# Altium PCB AT short bus ( 7 x 4.2 inches).PCBDOC (part 4 of 4)
Units mil, origin at the board's own origin, x right, y up, seen from the top; angles counter-clockwise.
Board outline 7000 x 4200 mil, 2 copper layers (TopLayer, BottomLayer), stack 65.792 mil thick; 180 components, 429 nets, 1316 pads, 545 vias.
Unrouted connection lines stored in the file: 1.
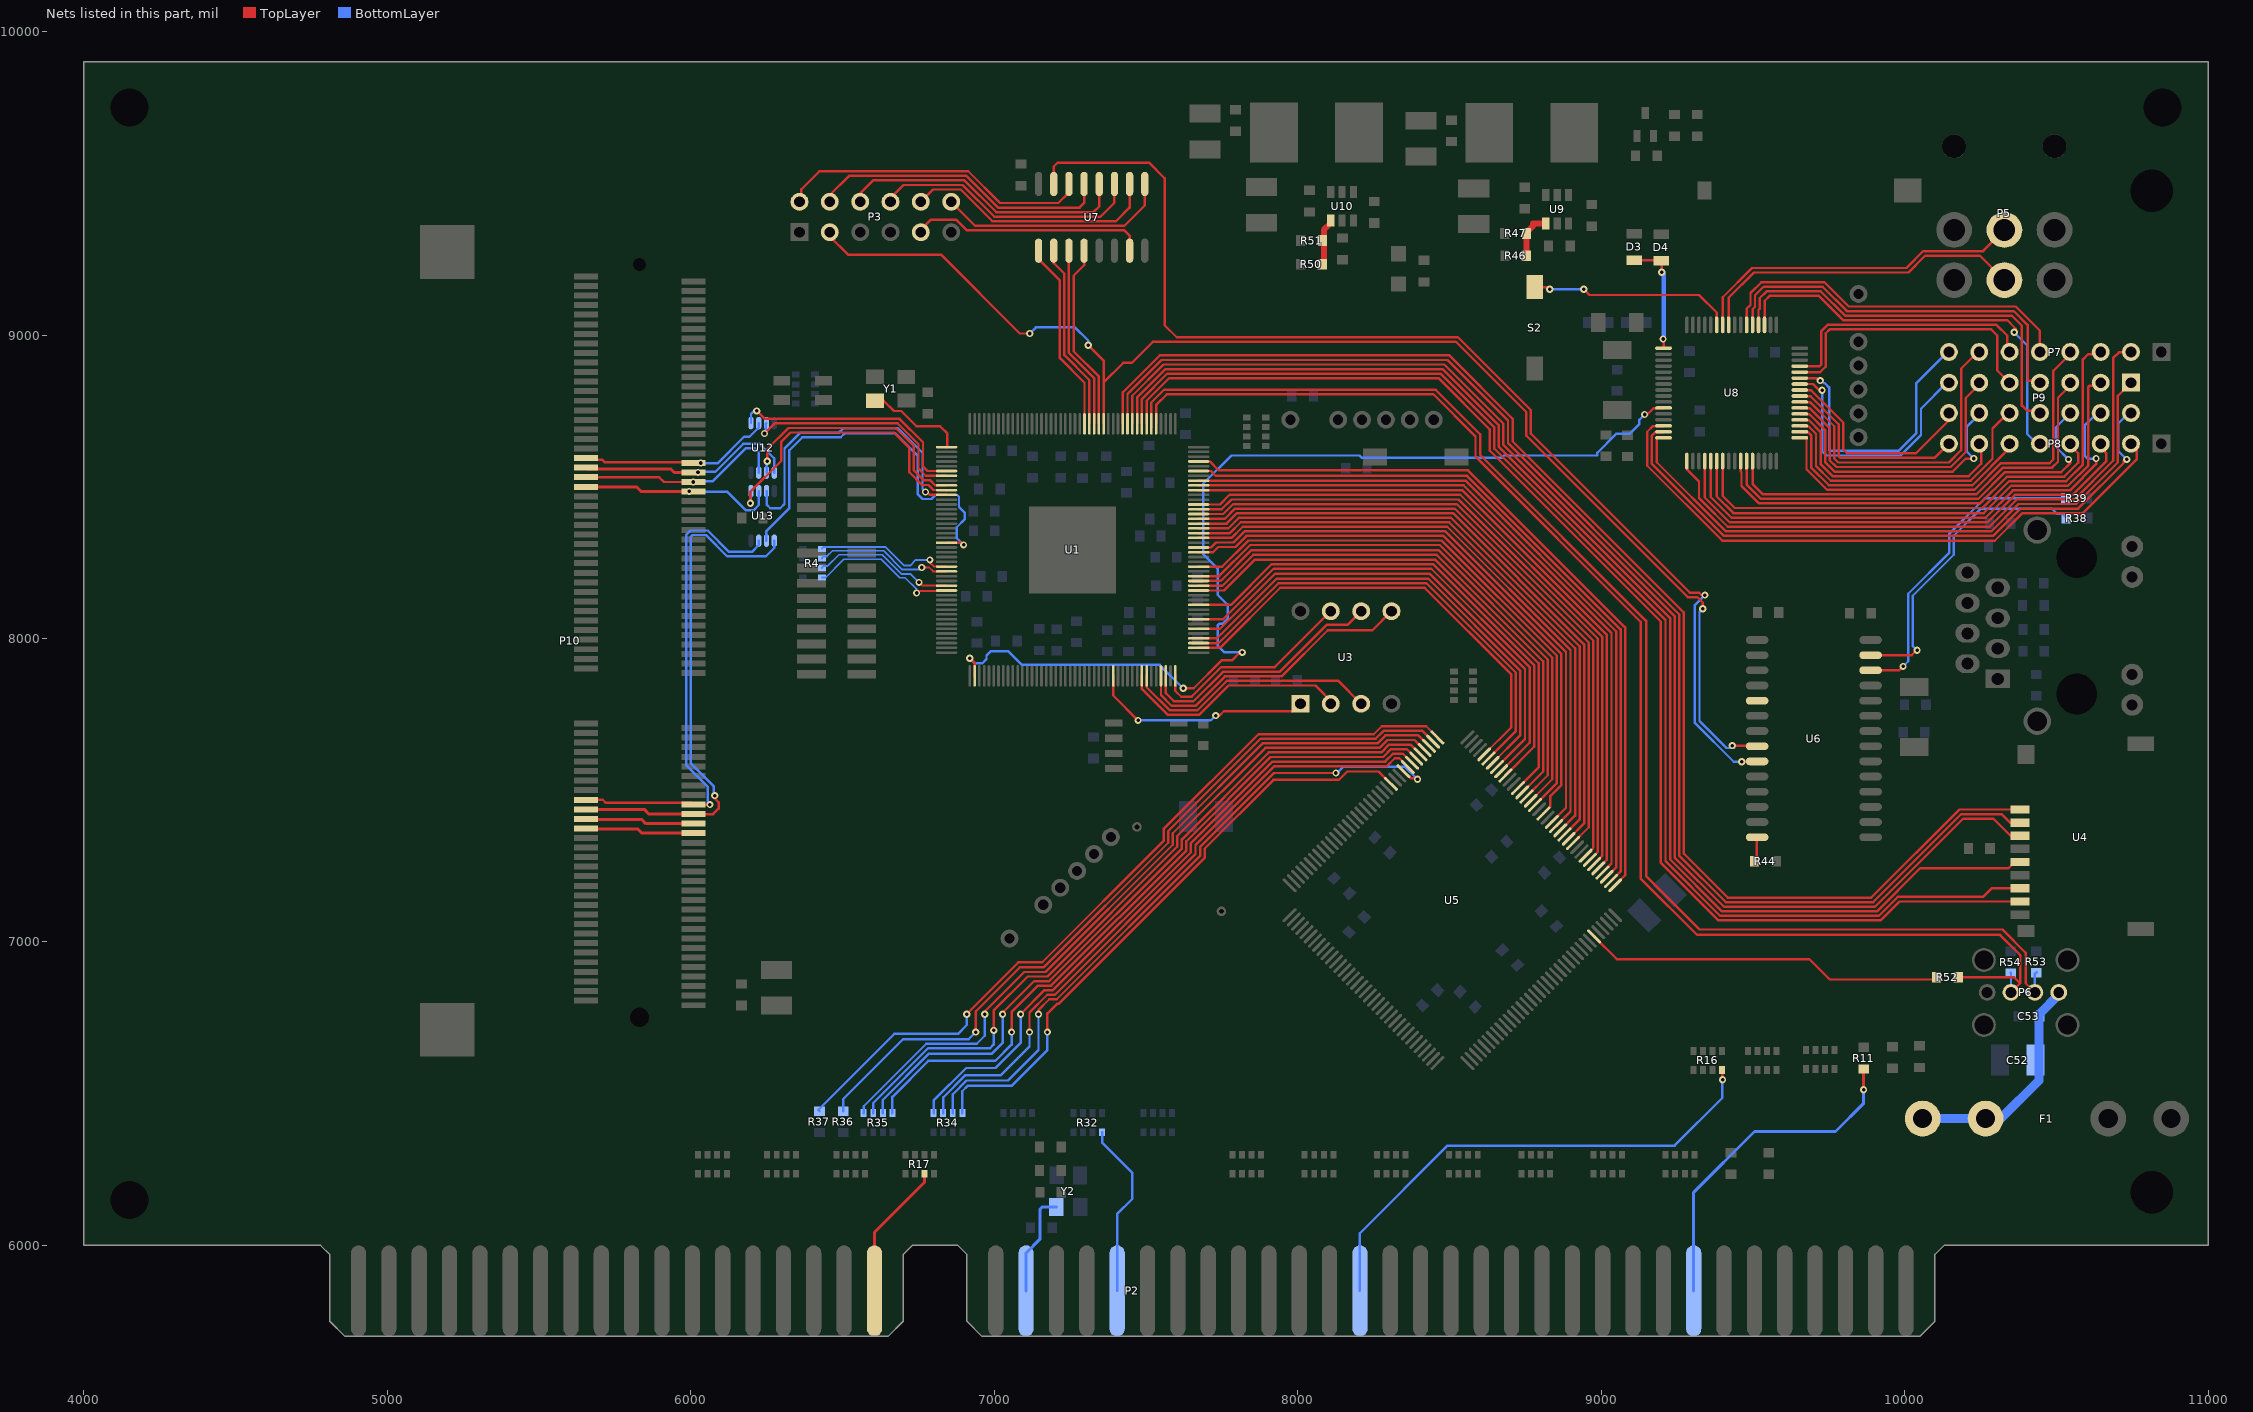
[diagram p4: the nets of this part, all layers, seen from the top]

## Via types
v1: diameter 23.62, hole 12.99, TopLayer to BottomLayer, tented both sides, 193 vias
v2: diameter 24.02, hole 11.81, TopLayer to BottomLayer, tented both sides, 137 vias
v3: diameter 23.62, hole 11.81, TopLayer to BottomLayer, tented both sides, 109 vias
v4: diameter 23.62, hole 11.81, TopLayer to BottomLayer, 39 vias
v5: diameter 25.98, hole 12.99, TopLayer to BottomLayer, tented both sides, 32 vias
v6: diameter 23.62, hole 12.99, TopLayer to BottomLayer, 25 vias
v7: diameter 39.37, hole 19.68, TopLayer to BottomLayer, tented both sides, 5 vias
v8: diameter 70, hole 70, TopLayer to BottomLayer, 2 vias
v9: diameter 39.37, hole 39.37, TopLayer to BottomLayer, tented both sides, 2 vias
v10: diameter 98.43, hole 59.06, TopLayer to BottomLayer, tented both sides, 1 vias

## Nets (pads, with @x,y where several pads share a name; then routed paths per layer and width w, separated by ;. In a path a pad name is that pad's centre, name@x,y a point inside that pad or via, vN(x,y) a via of type N, cw(c..) or ccw(c..) an arc to the next point about the centre after c; other vN are vias at no path point) (continued)
NetR34_1: R34.1 U5.48 | length 2026.2
  TopLayer w8: v3(7175.2,6702.76) 7175.2,6764.54 7206.65,6796 7212.13,6796 7693.1,7276.97 7693.1,7306.87 7920.02,7533.79 8135.15,7533.79 8163.06,7561.7 8266.2,7561.7 U5.48@8307.11,7520.85 U5.48@8307.11,7520.85
  BottomLayer w8: R34.1@6894.63,6436 6894.63,6508.06 6912.16,6525.59 7057.09,6525.59 7175.2,6643.7 v3(7175.2,6702.76)
NetR34_2: R34.2 U5.45 | length 2209.2
  TopLayer w8: v3(7145.67,6761.81) 7145.67,6775.67 7181,6811 7205.92,6811 7678.1,7283.18 7678.1,7313.08 7921.62,7556.6 v4(8125.7,7556.6) ; U5.45@8348.37,7562.6 U5.45@8348.87,7562.6 8349.37,7562.6 8373.09,7538.89 8391.61,7538.89 v4(8394.6,7535.9)
  BottomLayer w8: R34.2@6863.13,6436 6863.13,6497.78 6908.66,6543.31 7045.28,6543.31 7145.67,6643.7 v3(7145.67,6761.81) ; v4(8125.7,7556.6) 8129.7,7556.6 8149.8,7576.7 8353.8,7576.7 v4(8394.6,7535.9)
NetR34_3: R34.3 U5.44 | length 2126.9
  TopLayer w8: v3(7116.14,6702.76) 7116.14,6767.35 7174.79,6826 7199.71,6826 7663.1,7289.39 7663.1,7319.3 7923.21,7579.41 8294.07,7579.41 8319.76,7605.1 8335.45,7605.1 U5.44@8353.54,7587.01
  BottomLayer w8: R34.3@6831.64,6436 6831.64,6487.5 6905.16,6561.02 7021.65,6561.02 7116.14,6655.51 v3(7116.14,6702.76)
NetR34_4: R34.4 U5.43 | length 2176.5
  TopLayer w8: v3(7086.61,6761.81) 7165.8,6841 7193.49,6841 7648.1,7295.61 7648.1,7325.51 7917,7594.41 8287.86,7594.41 8313.75,7620.3 8346.36,7620.3 8376.21,7590.44 U5.43@8376.71,7590.44
  BottomLayer w8: R34.4@6800.14,6436 6800.14,6477.21 6907.57,6584.65 7003.94,6584.65 7086.61,6667.32 v3(7086.61,6761.81)
NetR35_1: R35.1 U5.42 | length 2347.9
  TopLayer w8: v3(7057.09,6702.76) 7057.09,6769.09 7144,6856 7187.28,6856 7633.1,7301.82 7633.1,7331.72 7910.85,7609.47 8281.71,7609.47 8307.53,7635.3 8359.19,7635.3 8390.13,7604.36 U5.42@8390.63,7604.36
  BottomLayer w8: R35.1@6664.17,6436 6664.17,6489.42 6783.02,6608.27 7003.94,6608.27 7057.09,6661.42 v3(7057.09,6702.76)
NetR35_2: R35.2 U5.41 | length 2389.2
  TopLayer w8: v3(7027.56,6761.81) 7027.56,6766.71 7131.85,6871 7181.07,6871 7618.1,7308.03 7618.1,7337.94 7904.64,7624.47 8275.49,7624.47 8301.37,7650.35 8371.98,7650.35 8404.05,7618.28 U5.41@8404.55,7618.28
  BottomLayer w8: R35.2@6632.68,6436 6632.68,6479.13 6785.43,6631.89 6992.13,6631.89 7027.56,6667.32 v3(7027.56,6761.81)
NetR35_3: R35.3 U5.40 | length 2445.6
  TopLayer w8: v3(6998.03,6708.66) 6998.03,6773.62 7110.41,6886 7174.85,6886 7603.1,7314.25 7603.1,7348.9 7893.67,7639.47 8269.28,7639.47 8295.31,7665.5 8384.67,7665.5 8417.97,7632.2 U5.40@8418.47,7632.2
  BottomLayer w8: R35.3@6601.18,6436 6601.18,6468.85 6781.94,6649.61 6986.22,6649.61 6998.03,6661.42 v3(6998.03,6708.66)
NetR35_4: R35.4 U5.39 | length 2474.4
  TopLayer w8: v3(6968.5,6761.81) 6968.5,6770.5 7099,6901 7168.64,6901 7588.1,7320.46 7588.1,7358.3 7884.27,7654.47 8263.07,7654.47 8289.1,7680.51 8397.5,7680.51 8431.89,7646.12 U5.39@8432.39,7646.12
  BottomLayer w8: R35.4@6569.69,6436 6569.69,6458.57 6775.72,6664.61 6942.17,6664.61 6968.5,6690.94 v3(6968.5,6761.81)
NetR36_2: R36.2 U5.38 | length 2563.7
  TopLayer w8: v3(6938.98,6702.76) 6938.98,6771.21 7083.76,6916 7162.43,6916 7573.1,7326.67 7573.1,7365.3 7877.27,7669.47 8256.85,7669.47 8282.89,7695.51 8410.84,7695.51 U5.38@8446.31,7660.04
  BottomLayer w8: R36.2@6502,6442.43 6502,6481.55 6700.05,6679.61 6915.83,6679.61 v3(6938.98,6702.76)
NetR37_2: R37.2 U5.37 | length 2628.8
  TopLayer w8: v3(6909.45,6761.81) 6909.45,6762.9 7079.55,6933 7158.21,6933 7558.1,7332.89 7558.1,7371.6 7870.97,7684.47 8250.64,7684.47 8276.81,7710.64 8423.54,7710.64 U5.37@8460.23,7673.96
  BottomLayer w8: R37.2@6424,6442.43 6420,6446.43 6670.42,6696.85 6879.92,6696.85 6909.45,6726.38 v3(6909.45,6761.81)
NetR38_2: R38.2 U6.27 | length 1020.6
  TopLayer w8: U6.27@9888.01,7945 10023.33,7945 10039.33,7961 v3(10041,7961)
  BottomLayer w8: v3(10041,7961) 10027,7975 10027,8141 10161.79,8275.79 10161.79,8338.57 10251.21,8428 10485,8428 10502.28,8410.72 10520.82,8410.72 10532.57,8398.97 R38.2@10532.57,8397
NetR39_2: R39.2 U6.26 | length 1045.4
  TopLayer w8: U6.26@9888.01,7895 9982,7895 v3(9995,7908)
  BottomLayer w8: v3(9995,7908) 10012,7925 10012,8147.21 10146.79,8282 10146.79,8344.79 10264,8462 R39.2@10531.57,8462
NetR44_1: R44.1 U6.14 | length 87.9
  TopLayer w8: R44.1@9502.13,7262 9513.13,7273 9513.13,7344.14 U6.14@9513.99,7345
NetR46_2: R46.2 R47.1 U9.4 | length 157
  TopLayer w20: R46.2@8753.43,9261.62 R47.1@8753.43,9334.62 8753.43,9337.34 8775.79,9359.69 8775.79,9367.51 U9.4@8817.6,9367.51
NetR50_2: R50.2 R51.1 U10.4 | length 155.6
  TopLayer w20: R50.2@8080.82,9233.15 8086.25,9238.58 8086.25,9346.63 8108.84,9369.22 U10.4@8108.84,9377.09
NetR52_1: R52.1 U5.139 | length 1190.5
  TopLayer w8: U5.139@8976.64,7018.36 9051.99,6943 9686.3,6943 9753.1,6876.2 10097.97,6876.2 R52.1@10105.27,6883.5
NetU1_2: U1.2 U5.32 | length 1530.7
  TopLayer w8: U1.2@7673.35,7969.17 7738,7969.17 7739.34,7970.5 7745.89,7970.5 7942.39,8167 8418,8167 8704,7881 8704,7707.55 U5.32@8614.73,7618.28
NetU1_3: U1.3 U5.31 | length 1569.7
  TopLayer w8: U1.3@7673.35,7984.91 7732.54,7984.91 7733.12,7985.5 7739.68,7985.5 7936.18,8182 8424.21,8182 8719,7887.21 8719,7694.71 U5.31@8628.65,7604.36
NetU1_4: U1.4 U5.30 | length 1608.6
  TopLayer w8: U1.4@7673.35,8000.66 7733.63,8000.66 7929.96,8197 8430.43,8197 8734,7893.43 8734,7681.87 U5.30@8642.57,7590.44
NetU1_6: U1.6 U5.29 | length 1642.6
  TopLayer w8: U1.6@7673.35,8032.16 7743.91,8032.16 7925.75,8214 8434.64,8214 8749,7899.64 8749,7669.03 U5.29@8656.49,7576.52
NetU1_8: U1.8 U5.28 | length 1675.8
  TopLayer w8: U1.8@7673.35,8063.65 7747.64,8063.65 7747.98,8063.99 7754.53,8063.99 7920.54,8230 8439.85,8230 8764,7905.85 8764,7656.19 U5.28@8670.41,7562.6
NetU1_11: U1.11 U5.27 | length 1701.7
  TopLayer w8: U1.11@7673.35,8110.9 7780.22,8110.9 7914.32,8245 8446.07,8245 8779,7912.07 8779,7643.36 U5.27@8684.33,7548.69
NetU1_14: U1.14 U5.24 | length 1743.9
  TopLayer w8: U1.14@7673.35,8158.14 7757.25,8158.14 7859.11,8260 8452.28,8260 8794,7918.28 8794,7574.84 U5.24@8726.09,7506.93
NetU1_15: U1.15 U5.23 | length 1783.6
  TopLayer w8: U1.15@7673.35,8173.89 7751.79,8173.89 7853.9,8276 8457.49,8276 8809,7924.49 8809,7562 U5.23@8740.01,7493.01
NetU1_16: U1.16 U5.22 | length 1822.5
  TopLayer w8: U1.16@7673.35,8189.64 7746.32,8189.64 7847.69,8291 8463.71,8291 8824,7930.71 8824,7549.16 U5.22@8753.93,7479.09
NetU1_17: U1.17 U5.21 | length 1863.1
  TopLayer w8: U1.17@7673.35,8205.39 7740.86,8205.39 7843.47,8308 8467.92,8308 8839,7936.92 8839,7536.32 U5.21@8767.85,7465.17
NetU1_19: U1.19 U5.20 | length 1895.5
  TopLayer w8: U1.19@7673.35,8236.88 7751.14,8236.88 7837.26,8323 8474.13,8323 8854,7943.13 8854,7523.48 U5.20@8781.77,7451.25
NetU1_22: U1.22 U5.18 | length 1929.5
  TopLayer w8: U1.22@7673.35,8284.13 7720.74,8284.13 7737.98,8301.37 7794.42,8301.37 7831.05,8338 8480.35,8338 8869,7949.35 8869,7517.03 8831.5,7479.53 8831.5,7445.3 U5.18@8809.6,7423.41
NetU1_23: U1.23 U5.16 | length 1976.5
  TopLayer w8: U1.23@7673.35,8299.87 7714.05,8299.87 7730.54,8316.37 7788.2,8316.37 7824.83,8353 8486.56,8353 8884,7955.56 8884,7442.13 U5.16@8837.44,7395.57
NetU1_25: U1.25 U5.15 | length 2008.9
  TopLayer w8: U1.25@7673.35,8331.37 7781.99,8331.37 7818.62,8368 8492.77,8368 8899,7961.77 8899,7429.29 U5.15@8851.36,7381.65
NetU1_26: U1.26 U5.14 | length 2047.8
  TopLayer w8: U1.26@7673.35,8347.12 7776.52,8347.12 7812.41,8383 8498.98,8383 8914,7967.98 8914,7416.45 U5.14@8865.28,7367.73
NetU1_27: U1.27 U5.13 | length 2086.8
  TopLayer w8: U1.27@7673.35,8362.87 7771.06,8362.87 7806.19,8398 8505.2,8398 8929,7974.2 8929,7403.61 U5.13@8879.2,7353.81
NetU1_28: U1.28 U5.12 | length 2125.7
  TopLayer w8: U1.28@7673.35,8378.61 7765.59,8378.61 7799.98,8413 8511.41,8413 8944,7980.41 8944,7390.77 U5.12@8893.12,7339.89
NetU1_29: U1.29 U5.11 | length 2164.6
  TopLayer w8: U1.29@7673.35,8394.36 7760.13,8394.36 7793.77,8428 8517.62,8428 8959,7986.62 8959,7377.93 U5.11@8907.04,7325.97
NetU1_30: U1.30 U5.8 | length 2219.8
  TopLayer w8: U1.30@7673.35,8410.11 7754.66,8410.11 7787.55,8443 8523.84,8443 8974,7992.84 8974,7309.92 8948.8,7284.72 U5.8@8948.8,7284.22
NetU1_31: U1.31 U5.7 | length 2258.7
  TopLayer w8: U1.31@7673.35,8425.86 7749.2,8425.86 7781.34,8458 8530.05,8458 8989,7999.05 8989,7297.08 8962.72,7270.8 U5.7@8962.72,7270.3
NetU1_32: U1.32 U5.6 | length 2298
  TopLayer w8: U1.32@7673.35,8441.61 7743.73,8441.61 7775.64,8473.51 8535.75,8473.51 9004,8005.26 9004,7284.24 8976.64,7256.88 U5.6@8976.64,7256.38
NetU1_35: U1.35 U5.5 | length 2324.2
  TopLayer w8: U1.35@7673.35,8488.85 8541.63,8488.85 9019,8011.48 9019,7271.4 8990.56,7242.96 U5.5@8990.56,7242.46
NetU1_36: U1.36 U5.4 | length 2363.7
  TopLayer w8: U1.36@7673.35,8504.6 8547.09,8504.6 9034,8017.69 9034,7258.56 9004.48,7229.04 U5.4@9004.48,7228.54
NetU1_37: U1.37 U5.3 | length 2403.2
  TopLayer w8: U1.37@7673.35,8520.35 8552.56,8520.35 9049,8023.9 9049,7245.22 U5.3@9018.4,7214.62
NetU1_39: U1.39 U5.2 | length 2449.3
  TopLayer w8: U1.39@7673.35,8551.84 7714.16,8551.84 7730,8536 8558.12,8536 9064,8030.12 9064,7232.38 U5.2@9032.32,7200.7
NetU1_41: U1.41 U5.1 | length 2495.3
  TopLayer w8: U1.41@7673.35,8583.34 7710.39,8583.34 7739.73,8554 8561.33,8554 9079,8036.33 9079,7219.55 U5.1@9046.24,7186.78
NetU1_89: U1.89 Y1.3 | length 329.4
  TopLayer w8: Y1.3@6607,8783.5 6635.5,8783.5 6669.39,8749.61 6693.31,8749.61 6743.31,8699.61 6821.51,8699.61 6845.45,8675.67 6845.45,8633.39 U1.89@6842.65,8630.58
NetU1_94: U1.94 U12.1 | length 807.5
  TopLayer w8: v2(6217.7,8749.98) 6243.95,8723.74 6687.93,8723.74 6765.17,8646.5 6765.17,8566.44 6779.76,8551.84 U1.94@6842.65,8551.84
  BottomLayer w8: U12.1@6198.23,8710.04 6198.33,8710.14 6198.33,8740.13 6208.18,8749.98 v2(6217.7,8749.98)
NetU1_95: U1.95 U12.3 | length 769
  TopLayer w8: v2(6242.91,8675.59) 6276.06,8708.74 6681.72,8708.74 6750.17,8640.29 6750.17,8560.22 6774.3,8536.09 U1.95@6842.65,8536.09
  BottomLayer w8: v2(6242.91,8675.59) 6242.91,8679.92 6247.55,8684.56 6247.55,8708.18 U12.3@6249.41,8710.04
NetU1_97: U1.97 U12.6 | length 823.2
  TopLayer w8: v2(6251.57,8584.25) 6251.57,8623.58 6321.74,8693.74 6675.5,8693.74 6735.17,8634.08 6735.17,8554.01 6768.31,8520.87 6789.34,8520.87 6805.19,8505.02 6842.23,8505.02 U1.97@6842.65,8504.6
  BottomLayer w8: U12.6@6249.41,8546.65 6250.49,8547.74 6250.49,8583.17 v2(6251.57,8584.25)
NetU1_98: U1.98 U13.1 | length 969.5
  TopLayer w8: v2(6196.46,8445.28) 6196.46,8483.86 6298.43,8585.83 6298.43,8649.21 6327.95,8678.74 6669.29,8678.74 6720.17,8627.86 6720.17,8547.8 6762.1,8505.87 6783.11,8505.87 6799.71,8489.27 6842.23,8489.27 U1.98@6842.65,8488.85
  BottomLayer w8: v2(6196.46,8445.28) 6197.34,8446.16 6197.34,8484.94 U13.1@6198.23,8485.83
NetU1_99: U1.99 U13.3 | length 1019.6
  TopLayer w8: v2(6773.23,8482.68) 6777.56,8482.68 6787.14,8473.1 U1.99@6842.65,8473.1 U1.99@6842.77,8472.98
  BottomLayer w8: U13.3@6249.41,8485.83 6250.79,8484.45 6250.79,8440.16 6261.81,8429.13 6294.88,8429.13 6308.66,8442.91 6308.66,8625.54 6361.33,8678.21 6487.93,8678.21 6502.14,8692.42 6682.82,8692.42 6763.39,8611.86 6763.39,8492.52 v2(6773.23,8482.68)
NetU1_109: U1.109 U13.6 | length 1329.6
  TopLayer w8: U1.109@6842.65,8315.21 6891.88,8315.21 v2(6898.82,8308.27)
  BottomLayer w8: U13.6@6249.41,8322.44 6249.21,8322.64 6249.21,8354.11 6324.8,8429.7 6324.8,8620.47 6367.54,8663.21 6494.14,8663.21 6507.7,8676.77 6672.76,8676.77 6701.93,8647.6 6748.39,8601.14 6748.39,8474.98 6763.7,8459.67 6793.53,8459.67 6806.69,8472.83 6877.95,8472.83 6883.78,8467 6883.78,8432.73 6903.15,8413.36 6903.15,8393.55 6876.37,8366.77 6876.37,8330.72 v2(6898.82,8308.27)
ONOFF: S2.2 U8.59 | length 675.1
  TopLayer w8: S2.2@8781,9157.86 8820.56,9157.86 8827.42,9151 v2(8831,9151) ; v2(8943,9151) 8961.99,9132.01 9322.72,9132.01 9380.79,9073.94 U8.59@9380.79,9033.41
  BottomLayer w8: v2(8831,9151) v2(8943,9151)
OSC84: P2.B30 Y2.3 | length 344.9
  BottomLayer w10: P2.B30@7105,5850 7105,5975 7150,6020 7150,6118 7159,6127 Y2.3@7204.5,6127
PA0: P8.2 U8.14 | length 2068.8
  TopLayer w8: U8.14@9205.59,8700.73 9204.86,8700 9170.79,8700 9152.03,8681.24 9152.03,8569.33 9399.36,8322 10296.92,8322 10388.08,8413.16 10587.7,8413.16 10765.66,8591.12 10765.66,8625.34 P8.2@10742,8649
PA1: P9.2 U8.15 | length 2092.5
  TopLayer w8: U8.15@9205.59,8681.05 9204.86,8680.32 9178.99,8680.32 9167.03,8668.36 9167.03,8575.54 9404.57,8338 10291.7,8338 10381.86,8428.16 10571.8,8428.16 10722,8578.36 10722,8585.31 10722.98,8585.31 10727.67,8590 v2(10732,8590)
  BottomLayer w8: v2(10732,8590) 10704,8618 10704,8708 P9.2@10742.5,8746.5
PA2: P9.1 U8.16 | length 2091.6
  TopLayer w8: U8.16@9205.59,8661.36 9204.86,8660.63 9183,8660.63 9183,8580.79 9410.79,8353 10285.49,8353 10375.65,8443.16 10565.58,8443.16 10703,8580.57 10703,8800 P9.1@10746,8843
PA3: P7.2 U8.17 | length 2053.7
  TopLayer w8: U8.17@9282.36,8584.59 9282.36,8557.01 9322.44,8516.93 9322.44,8462.56 9339,8446 9339.15,8446 9417.15,8368 10279.28,8368 10369.44,8458.16 10559.37,8458.16 10687,8585.79 10687,8924 10706,8943 P7.2@10762,8943
PA4: P8.3 U8.20 | length 1625.7
  TopLayer w8: U8.20@9341.42,8584.59 9341.42,8464.94 9423.36,8383 10273.06,8383 10363.22,8473.16 10553.16,8473.16 10665,8585 10665,8609.18 10646,8628.18 P8.3@10646,8642
PA5: P9.4 U8.21 | length 1718.7
  TopLayer w8: U8.21@9361.1,8584.59 9361.1,8466.47 9429.57,8398 10266.85,8398 10357.01,8488.16 10544.58,8488.16 10631,8574.57 v2(10631,8593)
  BottomLayer w8: v2(10631,8593) 10603,8593 10593,8603 10593,8701.31 10634.69,8743 P9.4@10646,8743
PA6: P9.3 U8.22 | length 1734.3
  TopLayer w8: U8.22@9380.79,8584.59 9380.79,8468 9435.79,8413 10260.64,8413 10350.8,8503.16 10538.37,8503.16 10605.47,8570.26 10605.47,8829 10609.7,8833.23 10636.23,8833.23 P9.3@10646,8843
PA7: P7.3 U8.23 | length 1792.6
  TopLayer w8: U8.23@9400.47,8584.59 9400.47,8469.53 9440,8430 10256.38,8430 10344.54,8518.16 10532.16,8518.16 10587.59,8573.59 10587.59,8919.59 10604.47,8936.47 10638.47,8936.47 P7.3@10646,8944
PA8: P9.14 U8.41 | length 699.1
  TopLayer w8: U8.41@9654.41,8818.84 9655.14,8818.11 9691.71,8818.11 9797.97,8711.86 9797.97,8623.03 9811,8610 10036.77,8610 10146,8719.23 P9.14@10146,8743
PA9: P9.13 U8.42 | length 857.6
  TopLayer w8: U8.42@9654.41,8838.53 9698.47,8838.53 9720,8817 9727,8817 v2(9728,8818)
  BottomLayer w8: v2(9728,8818) 9728,8617 9742,8603 9986,8603 10053.92,8670.92 10053.92,8757 10139.92,8843 P9.13@10146,8843
PA10: P7.8 U8.43 | length 942.5
  TopLayer w8: U8.43@9654.41,8858.21 9709.45,8858.21 9717.67,8850 v2(9722,8850)
  BottomLayer w8: v2(9722,8850) 9726.33,8850 9735.33,8841.01 9737.53,8841.01 9751.01,8827.53 9751.01,8622.99 9756,8618 9979.79,8618 10038.92,8677.13 10038.92,8841.92 10141,8944 P7.8@10146,8944
PA11: P9.9 U8.44 | length 954.3
  TopLayer w8: U8.44@9654.41,8877.9 9721.84,8877.9 9740,8896.06 9740,9006 9752.53,9018.53 10285.47,9018.53 10305.47,8998.53 10305.47,8883.53 P9.9@10346,8843
PA12: P7.6 U8.45 | length 876.3
  TopLayer w8: U8.45@9654.41,8897.58 9720.31,8897.58 9725,8902.27 9725,9012.21 9746.31,9033.53 10302.47,9033.53 10338,8998 10338,8952 P7.6@10346,8944
PB0: P8.4 U8.26 | length 1345.5
  TopLayer w8: U8.26@9459.53,8584.59 9459.53,8550.9 9462.43,8548 9462.43,8502.21 9519.64,8445 10248.66,8445 10336.82,8533.16 10525.69,8533.16 10571.53,8579 10571.53,8610.21 10546,8635.74 P8.4@10546,8642
PB1: P9.6 U8.27 | length 1417.5
  TopLayer w8: U8.27@9479.21,8584.59 9479.21,8508 9527.21,8460 10242.44,8460 10330.6,8548.16 10516.16,8548.16 10546.69,8578.69 10546.69,8578.98 10540,8585.67 v2(10540,8590)
  BottomLayer w8: v2(10540,8590) 10498,8632 10498,8695 P9.6@10546,8743
PB2: P9.5 U8.28 | length 1417.8
  TopLayer w8: U8.28@9498.9,8584.59 9498.9,8536.14 9499,8536.04 9499,8509.43 9533.43,8475 10236.23,8475 10324.39,8563.16 10486.16,8563.16 10505.47,8582.47 10505.47,8793.47 10546,8834 P9.5@10546,8843
PB12: P7.4 U8.33 | length 1384.3
  TopLayer w8: U8.33@9654.41,8661.36 9673.68,8661.36 9676.69,8658.35 9676.69,8557.48 9744.16,8490 10230.02,8490 10318.18,8578.16 10478.16,8578.16 10490.47,8590.47 10490.47,8882.47 10546,8938 P7.4@10546,8944
PB13: P8.6 U8.34 | length 892
  TopLayer w8: U8.34@9654.41,8681.05 9655.14,8680.32 9681.02,8680.32 9692.97,8668.36 9692.97,8562.41 9750.38,8505 10223.8,8505 10346,8627.2 P8.6@10346,8642
PB14: P9.10 U8.35 | length 979.2
  TopLayer w8: U8.35@9654.41,8700.73 9655.14,8700 9682.54,8700 9707.97,8674.58 9707.97,8568.62 9756.59,8520 10217.59,8520 10289.72,8592.13 10289.72,8691.72 10341,8743 P9.10@10346,8743
PB15: P8.7 U8.36 | length 822.2
  TopLayer w8: U8.36@9654.41,8720.42 9655.14,8719.69 9684.07,8719.69 9722.97,8680.79 9722.97,8574.83 9762.8,8535 10211.38,8535 10252,8575.62 10252,8636 P8.7@10246,8642
PC6: P9.12 U8.37 | length 912.6
  TopLayer w8: U8.37@9654.41,8740.1 9655.14,8739.37 9685.6,8739.37 9737.97,8687 9737.97,8581.05 9769.02,8550 10158.66,8550 10201.66,8593 v2(10228,8593) v2@10232.31,8593
  BottomLayer w8: v2(10228,8593) 10205.47,8615.53 10205.47,8698.47 10246,8739 P9.12@10246,8743
PC7: P9.11 U8.38 | length 957.3
  TopLayer w8: U8.38@9654.41,8759.79 9655.14,8759.06 9687.13,8759.06 9752.97,8693.22 9752.97,8587.26 9775.23,8565 10151.96,8565 10201.53,8614.57 10201.53,8792.53 10246,8837 P9.11@10246,8843
PC8: P7.7 U8.39 | length 1044.5
  TopLayer w8: U8.39@9654.41,8779.47 9655.14,8778.74 9688.66,8778.74 9767.97,8699.43 9767.97,8593.47 9781.44,8580 10145.75,8580 10186.53,8620.78 10186.53,8889.53 10241,8944 P7.7@10246,8944
PC9: P8.8 U8.40 | length 657.7
  TopLayer w8: U8.40@9654.41,8799.16 9655.14,8798.43 9690.18,8798.43 9782.97,8705.64 9782.97,8599.69 9787.65,8595 10099,8595 P8.8@10146,8642
PC10: P8.5 U8.51 | length 1380.5
  TopLayer w8: U8.51@9538.27,9033.41 9539,9034.14 9539,9113 9555,9129 9717.36,9129 9797.36,9049 10338,9049 10366.19,9020.81 10366.19,9018.52 10361,9013.33 v2(10361,9009)
  BottomLayer w8: v2(10361,9009) 10404,8966 10404,8674 10436,8642 P8.5@10446,8642
PC11: P9.8 U8.52 | length 1342.7
  TopLayer w8: U8.52@9518.58,9033.41 9518.58,9083.37 9522,9086.79 9522,9121 9545,9144 9723.57,9144 9803.57,9064 10353,9064 10386.53,9030.47 10386.53,8767.47 10404,8750 10439,8750 P9.8@10446,8743
PC12: P9.7 U8.53 | length 1289.8
  TopLayer w8: U8.53@9498.9,9033.41 9499.63,9034.14 9499.63,9085.63 9507,9093 9507,9131 9535,9159 9729.79,9159 9809.79,9079 10359.79,9079 10405.47,9033.31 10405.47,8850 10439,8850 P9.7@10446,8843
PD2: P7.5 U8.54 | length 1215.1
  TopLayer w8: U8.54@9479.21,9033.41 9479.94,9034.14 9479.94,9087.4 9492,9099.46 9492,9138 9528,9174 9736,9174 9816,9094 10366,9094 10446,9014 P7.5@10446,8944
PGMB: U1.134 U8.11 | length 3411.8
  TopLayer w8: v2(6919,7935) 6921,7935 6935.04,7920.96 6935.04,7876.77 U1.134@6935.17,7876.65 ; v2(7623,7836) 7657.16,7836 7749.16,7928 7783,7928 7809,7954 v2(7817,7954) ; v2(9143,8738) 9152,8738 9173.06,8759.06 9204.86,8759.06 U8.11@9205.59,8759.79
  BottomLayer w8: v2(6919,7935) 6936.23,7917.77 6960.25,7917.77 6974.36,7931.88 6974.36,7943.9 6989.03,7958.57 7045.43,7958.57 7091,7913 7545,7913 7618,7840 7619,7840 v2(7623,7836) ; v2(7817,7954) 7758.78,7954 7736.11,7976.68 7736.11,8042.89 7742.21,8048.99 7753.21,8048.99 7769.01,8064.79 7769.01,8111.21 7736,8144.21 7736,8230.43 7688.19,8278.24 7688.19,8509.98 7781.22,8603.01 8203.53,8603.01 8210.35,8596.19 8671.96,8596.19 8678.78,8603.01 8987,8603.01 8987,8611.79 9049.34,8674.13 9092.91,8674.13 9126,8707.22 9126,8721 v2(9143,8738)
PSMCE0: P10.19 | length 360.9
  TopLayer w10: P10.19@5654,7373.98 5655.25,7372.73 5824.54,7372.73 5838.79,7358.49 6008.08,7358.49 P10.19@6008.33,7358.24
PSMCE1: P10.20 | length 360.9
  TopLayer w10: P10.20@5654,7405.48 5655.25,7404.23 5837.11,7404.23 5851.61,7389.73 P10.20@6008.33,7389.73
PSMCE2: P10.21 U13.5 | length 1729.4
  TopLayer w8: P10.21@6008.33,7421.23 6073.2,7421.23 6091.34,7439.37 6091.34,7460.24 6077.53,7474.05 6077.53,7480.68 v2(6079.13,7482.28)
  TopLayer w10: P10.21@5654,7436.98 5846.49,7436.98 5862.24,7421.23 P10.21@6008.33,7421.23
  BottomLayer w8: v2(6079.13,7482.28) 6076.07,7485.35 6076.07,7512.47 5999.21,7589.32 5999.21,8335 6005.12,8340.91 6049.69,8340.91 6120.16,8270.43 6246.81,8270.43 6275,8298.62 U13.5@6275,8322.44
PSMCE3: P10.22 U13.7 | length 1638.2
  TopLayer w8: P10.22@5654,7468.47 5709.87,7468.47 5720.08,7458.27 6002.79,7458.27 P10.22@6008.33,7452.72 ; P10.22@6008.33,7452.72 v2@6062.98,7452.74
  BottomLayer w8: v2(6062.99,7452.76) 6060.63,7455.12 6055.51,7455.12 6055.51,7511.81 5984.21,7583.11 5984.21,8341.21 5998.9,8355.91 6055.91,8355.91 6126.38,8285.43 6201.12,8285.43 6223.82,8308.14 U13.7@6223.82,8322.44
PSMCE4: P10.50 U13.2 | length 669.1
  TopLayer w8: v2(5994.87,8484.63) 5995.28,8484.22 P10.50@6008.33,8484.22
  TopLayer w10: P10.50@5654,8499.97 5820.9,8499.97 5836.65,8484.22 5994.46,8484.22 v2(5994.87,8484.63)
  BottomLayer w8: v2(5994.87,8484.63) 5996.43,8483.07 6120.87,8483.07 6181.67,8422.27 6205.99,8422.27 6223.82,8440.1 U13.2@6223.82,8485.83
PSMCE5: P10.51 U12.7 | length 694.4
  TopLayer w8: P10.51@5654,8531.46 5654.25,8531.21 5895.56,8531.21 5911.06,8515.72 v2(6008.33,8515.72)
  BottomLayer w8: v2(6008.33,8515.72) 6010.33,8517.72 6071.69,8517.72 6180.31,8626.34 6211.06,8626.34 6223.82,8613.58 U12.7@6223.82,8546.65
PSMCE6: P10.52 U12.5 | length 733.1
  TopLayer w8: P10.52@6008.33,8547.21 v2(6023.61,8547.23)
  TopLayer w10: P10.52@5654,8562.96 5658.84,8558.12 5934.4,8558.12 5945.31,8547.21 P10.52@6008.33,8547.21
  BottomLayer w8: v2(6023.61,8547.23) 6025.2,8548.82 6080.27,8548.82 6172.79,8641.34 6227.03,8641.34 6275,8593.36 U12.5@6275,8546.65
PSMCE7: P10.53 U12.2 | length 615.5
  TopLayer w8: P10.53@5654,8594.46 5659.84,8588.61 5708.63,8588.61 5716.93,8580.32 6006.72,8580.32 P10.53@6008.33,8578.71
  BottomLayer w8: v2(6033.07,8578.35) 6034.25,8577.17 6087.4,8577.17 6175.2,8664.96 6193.04,8664.96 6223.82,8695.74 U12.2@6223.82,8710.04
PSON#: P5.4 U8.57 | length 1088.8
  TopLayer w8: U8.57@9420.16,9033.41 9419.99,9033.57 9419.99,9122.78 9503.21,9206 10012.21,9206 10067.57,9261.35 10248.35,9261.35 P5.4@10328.65,9181.06
PWOK: P5.3 U8.58 | length 1111.2
  TopLayer w8: U8.58@9400.47,9033.41 9400.47,9124.47 9497,9221 10006,9221 10061.35,9276.35 10258.59,9276.35 P5.3@10328.65,9346.41
RFSH#: P2.B19 R16.1 | length 1661.8
  TopLayer w8: R16.1@9398.57,6578.01 9399.29,6577.3 9399.29,6546.71 v3(9400,6546)
  BottomLayer w8: P2.B19@8205,5850 8205,6040 8494,6329 9242,6329 9399,6486 9399,6545 v3(9400,6546)
SBHE: P2.C1 R17.6 | length 454.3
  TopLayer w10: P2.C1@6605,5850 6605,6043 6770,6208 R17.6@6770,6236
SCLK0: P3.3 U1.60 U6.8 | length 4379.5
  TopLayer w8: P3.3@6458,9339 6458,9325 6518,9265 6823.85,9265 7083.85,9005 v2(7117,9005) ; v2(7310,8966) 7360.36,8915.64 7360.36,8843.36 ; U1.60@7360.36,8707.35 7360.36,8843.36 ; v3(9335,8098) 9335,8117.74 9317,8135.74 9285.97,8135.74 8752.99,8668.71 8752.99,8746.22 8521.39,8977.82 7522.82,8977.82 7453,8908 7425,8908 7360.36,8843.36 ; v3(9432,7647) 9433,7646 9512.99,7646 U6.8@9513.99,7645
  BottomLayer w8: v2(7117,9005) 7137.2,9025.2 7265.75,9025.2 7310,8980.94 v2(7310,8966) ; v3(9335,8098) 9324,8087 9324,7728.21 9413.21,7639 v3@9438,7639
SCS0: U1.61 U7.4 | length 618.9
  TopLayer w8: U7.4@7296,9278 7296,9230 7262,9196 7262,8946.21 7344.61,8863.6 U1.61@7344.61,8707.35
SDCLK: U1.53 U4.5 | length 4349.6
  TopLayer w8: U1.53@7470.6,8707.35 7470.6,8794.39 7564.02,8887.82 8476.61,8887.82 8662.99,8701.43 8662.99,8631.43 9227,8067.43 9227,7272.43 9398.57,7100.86 9908.5,7100.86 10050.64,7243 10342.41,7243 10362.65,7263.24 U4.5@10380.36,7263.24
SDCMD: U1.54 U4.3 | length 4450.9
  TopLayer w8: U1.54@7454.85,8707.35 7454.85,8799.86 7557.81,8902.82 8482.82,8902.82 8677.99,8707.65 8677.99,8637.65 9242,8073.64 9242,7278.64 9404.78,7115.86 9902.28,7115.86 10192.33,7405.91 10292.91,7405.91 10348.97,7349.85 U4.3@10380.36,7349.85
SDDAT0: U1.52 U4.7 | length 4294.8
  TopLayer w8: U1.52@7486.35,8707.35 7486.35,8788.93 7570.24,8872.82 8470.39,8872.82 8647.99,8695.22 8647.99,8625.22 9212,8061.21 9212,7266.21 9392.35,7085.86 9914.71,7085.86 9977.28,7148.43 10258.44,7148.43 10286.64,7176.62 U4.7@10380.36,7176.62
SDDAT1: U1.51 U4.8 | length 4258
  TopLayer w8: U1.51@7502.09,8707.35 7502.09,8783.46 7576.45,8857.82 8464.18,8857.82 8632.99,8689.01 8632.99,8619.01 9197,8055 9197,7260 9386.14,7070.86 9664.52,7070.86 9664.6,7070.78 9920.85,7070.78 9983.38,7133.31 U4.8@10380.36,7133.31
SDDAT2: U1.56 U4.1 | length 4481.1
  TopLayer w8: U1.56@7423.35,8707.35 7423.35,8810.79 7545.38,8932.82 8500.06,8932.82 8500.06,8932.03 8707.99,8724.1 8707.99,8650.07 9272,8086.07 9272,7291.07 9417.21,7145.86 9889.86,7145.86 10180.46,7436.46 U4.1@10380.36,7436.46
SDDAT3: U1.55 U4.2 | length 4467
  TopLayer w8: U1.55@7439.1,8707.35 7439.1,8805.33 7551.6,8917.82 8493.06,8917.82 8692.99,8717.88 8692.99,8643.86 9257,8079.85 9257,7284.85 9410.99,7130.86 9896.07,7130.86 10186.47,7421.26 10319.29,7421.26 10347.39,7393.16 U4.2@10380.36,7393.16
SDEV0: U6.9 U7.15 | length 3821.1
  TopLayer w8: U7.15@7196,9498 7196,9555 7209,9568 7510,9568 7562,9516 7562,9032 7601.18,8992.82 8527.61,8992.82 8767.99,8752.43 8767.99,8674.93 9292.18,8150.74 9323.21,8150.74 9330.95,8143 v3@9335,8143 ; v3@9335,8142 9341,8142 v3(9342,8143) ; v3(9463,7594) 9463.5,7594.5 9513.49,7594.5 U6.9@9513.99,7595
  BottomLayer w8: v3(9342,8143) 9309,8110 9309,7722 9437,7594 v3(9463,7594)
SDEV1: P3.2 U7.14 | length 1063.9
  TopLayer w8: P3.2@6358,9439 6364.53,9445.53 6364.53,9480.53 6423.53,9539.53 6914.33,9539.53 7018.85,9435 7211,9435 7246,9470 U7.14@7246,9498 U7.14@7246,9526
SDEV2: P3.4 U7.13 | length 998.8
  TopLayer w8: P3.4@6458,9439 6458,9461 6521.53,9524.53 6908.11,9524.53 7012.64,9420 7281,9420 7296,9435 U7.13@7296,9498
SDEV3: P3.6 U7.12 | length 958.8
  TopLayer w8: P3.6@6558,9439 6558,9467 6600.53,9509.53 6901.9,9509.53 7006.43,9405 7327,9405 7346,9424 U7.12@7346,9498
SDEV4: P3.8 U7.11 | length 893
  TopLayer w8: P3.8@6658,9439 6658,9452 6700.53,9494.53 6895.69,9494.53 7000.21,9390 7350,9390 7396,9436 U7.11@7396,9498
SDEV5: P3.10 U7.10 | length 844.7
  TopLayer w8: P3.10@6758,9439 6798.53,9479.53 6889.47,9479.53 6994,9375 7401,9375 7446,9420 U7.10@7446,9498
SDEV6: P3.12 U7.9 | length 769.5
  TopLayer w8: P3.12@6858,9439 6937,9360 7429,9360 7496,9427 U7.9@7496,9498
SDEV7: P3.9 U7.7 | length 781.2
  TopLayer w8: P3.9@6758,9339 6758,9347.73 6789.8,9379.53 6875.47,9379.53 6910,9345 7429,9345 7446,9328 U7.7@7446,9278
SSEL0: U1.64 U7.1 | length 633.3
  TopLayer w8: U7.1@7146,9278 7146,9250 7216,9180 7216,8924 7297.37,8842.63 U1.64@7297.37,8707.35
SSEL1: U1.63 U7.2 | length 619.2
  TopLayer w8: U7.2@7196,9278 7196,9237 7231,9202 7231,8934 7313.12,8851.88 U1.63@7313.12,8707.35
SSEL2: U1.62 U7.3 | length 605
  TopLayer w8: U7.3@7246,9278 7246,8941 7328.87,8858.13 U1.62@7328.87,8707.35
TC: P2.B27 R32.8 | length 584.9
  BottomLayer w8: R32.8@7355.54,6373.01 7355.54,6338.46 7455,6239 7455,6153.79 7405,6103.79 P2.B27@7405,5850
UART2_RX: R4.2 U1.118 | length 471
  TopLayer w6: v3(6752,8185) 6762.6,8174.4 6842.14,8174.4 U1.118@6842.65,8173.89
  BottomLayer w6: R4.2@6431.99,8232.5 6438.49,8239 6451.2,8239 6488.2,8275.99 6630.24,8275.99 6693.23,8213 6722.62,8213 6750.62,8185 v3(6752,8185)
UART2_TX: R4.1 U1.119 | length 491.8
  TopLayer w6: v3(6744,8150) 6750.72,8156.72 6841.23,8156.72 U1.119@6842.65,8158.14
  BottomLayer w6: R4.1@6431.99,8201.01 6444.31,8201.01 6504.31,8261 6626.85,8261 6687.85,8200 6705.85,8200 6744,8161.85 v3(6744,8150)
UART3_RX: R4.4 U1.114 | length 461.1
  TopLayer w6: v3(6788,8259) 6788,8250.06 6800.67,8237.39 6842.14,8237.39 U1.114@6842.65,8236.88
  BottomLayer w6: R4.4@6431.99,8295.5 6438.49,8301.99 6641.01,8301.99 6702.81,8240.19 6723.03,8240.19 6741.85,8259 v3(6788,8259)
UART3_TX: R4.3 U1.115 | length 454.8
  TopLayer w6: v3(6761,8234) 6785.67,8234 6798.54,8221.13 U1.115@6842.65,8221.13
  BottomLayer w6: R4.3@6431.99,8264 6438.49,8270.5 6448.45,8270.5 6466.94,8288.99 6635.62,8288.99 6697.43,8227.19 6754.19,8227.19 v3(6761,8234)
UCS: U1.163 U3.1 | length 738.5
  TopLayer w8: U1.163@7391.86,7876.65 7391.86,7812.14 v3(7474,7730) ; v2(7729.5,7746) 7742,7746 7756,7760 7984,7760 U3.1@8009,7785
  BottomLayer w8: v3(7474,7730) 7713.5,7730 v2(7729.5,7746)
UMISO: U1.169 U3.2 | length 774.9
  TopLayer w8: U1.169@7486.35,7876.65 7486.47,7876.52 7486.47,7834.02 7572.49,7748 7675.23,7748 7772.24,7845.01 8057.99,7845.01 U3.2@8118,7785
UMOSI: U1.173 U3.5 | length 966.7
  TopLayer w8: U1.173@7549.34,7876.65 7549.46,7876.52 7549.46,7813.45 7584.92,7778 7662.8,7778 7759.81,7875.01 7947.01,7875.01 8099,8027 8246,8027 U3.5@8309,8090
UQPI2: U1.170 U3.3 | length 846.9
  TopLayer w8: U1.170@7502.09,7876.65 7502.22,7876.52 7502.22,7839.48 7578.7,7763 7669.02,7763 7766.02,7860.01 8133.99,7860.01 U3.3@8209,7785
UQPI3: U1.176 U3.7 | length 686.5
  TopLayer w8: U1.176@7596.58,7876.65 7596.58,7827.42 7616,7808 7650.38,7808 7747.38,7905.01 7924.01,7905.01 U3.7@8109,8090
USB_N: P6.2 R53.1 U1.50 | length 4495
  TopLayer w8: U1.50@7518.26,8695.22 7517.43,8696.05 7517.43,8777.58 7559.68,8819.83 8454.17,8819.83 8600.83,8673.17 8600.83,8605.39 9145,8061.21 9145,8061 9148,8058 9148,7217 9324,7041 10322,7041 10398.99,6964.01 10398.99,6863.94 P6.2@10429.36,6833.57
  BottomLayer w8: P6.2@10429.36,6833.57 10429.36,6894.63 R53.1@10435,6900.27
USB_P: P6.3 R52.2 R54.1 U1.49 | length 4637.6
  TopLayer w8: U1.49@7533.59,8707.35 7533.17,8707.77 7533.17,8769.17 7568.83,8804.83 8447.17,8804.83 8585.83,8666.17 8585.83,8599.17 9130,8055 9130,7209.54 9316.54,7023 10314.54,7023 10380.99,6956.55 10380.99,6863.94 ; R52.2@10176.13,6883.5 10361,6883.5 10380.77,6863.73 P6.3@10350.62,6833.57
  BottomLayer w8: R54.1@10349.9,6898.17 10350.62,6897.44 P6.3@10350.62,6833.57
USCLK: U1.174 U3.6 | length 834.8
  TopLayer w8: U1.174@7565.09,7876.65 7565.21,7876.52 7565.21,7819.79 7592,7793 7656.59,7793 7753.6,7890.01 7940.01,7890.01 8095,8045 8164,8045 U3.6@8209,8090
VBAT: D3.2 D4.2 U8.1 | length 383.8
  TopLayer w8: D3.2@9109,9247 9196.39,9247 D4.2@9198,9245.39 9200,9243.39 v2(9200,9207) ; v2(9204,8987) 9205.59,8985.41 U8.1@9205.59,8956.64 U8.1@9206.01,8957.06
  BottomLayer w15: v2(9200,9207) 9206.01,9200.99 9206.01,8989.01 v2(9204,8987)
VBUS: C52.1 C53.2 F1.2 P6.1 | length 752.2
  BottomLayer w30: F1.2@10059.52,6418 F1.2@10267,6418 10317,6418 10443,6544 10443,6610.63 10443,6746.85 10443,6761.68 10508.1,6826.78 P6.1@10508.1,6833.57
WOL#: U6.5
ZWS: P2.B8 R11.1 | length 1119.9
  TopLayer w10: v3(9865,6513) R11.1@9865,6581.57
  BottomLayer w10: P2.B8@9305,5850 9305,6174.96 9505.04,6375 9772,6375 9865,6468 v3(9865,6513)
pads on no net: P2.D16 P4.0 P4.4 P4.5 P4.7 P4.8 P5.0 P10.0 R6.4 R6.5 U1.104 U1.112 U4.9 U5.90 U5.140 U5.141 U5.142 U5.143 U5.144 U6.3 U8.2 Y1.1 Y2.1
copper on no net:
  other v8: 9543,9476 9836.31,9476
  other v9: 10793.75,7153 10793.75,7467.96

## Polygon pours and split planes (outlines as drawn)
GND on TopLayer "TopLayer-GND" (solid, remove dead copper, pour order 2): 11000.6,9900.1 11000.6,6000.1 4000.6,6000.1 4000.6,9900.1
GND on BottomLayer "BottomLayer-GND" (solid, remove dead copper, pour order 0): 4000,9900 4000,6000 11000,6000 11000,9900

## Keep-outs
KeepOutLayer:
  lines w8: 4055,6250 4055,9650 4255,9650 4255,9850 10680,9850 10680,9350 10955,9350 10955,6300 10680,6300 10680,6050 10055,6050 10055,5650 6955,5650 6955,6050 6655,6050 6655,5650 4855,5650 4855,6050 4255,6050 4255,6250 4055,6250

## Other copper
TopLayer:
  pour cut-out: 4855.32,6050 10055,6013.39 10055,5650 4855.32,5650
  text ".GTL" at 10700,10050 h90
BottomLayer:
  pour cut-out: 4855,6031.9 4855,5650 10055,5650 10055,6031.9
  text ".GBL" at 10700,10050 h90

## Silkscreen, mask and mechanical layers (free items; w line width, h text height)
TopOverlay:
  region: 4356,7495 4356,6745 4556,6745 4556,7495
  lines w10: 8648,9298 8651.85,9298 8660.91,9307.06 ; 8649,9221.58 8649,9222.15 ; 8660.91,9234.06 8649,9222.15 ; 8649,9222.15 8649,9221 8649,9222.15
  text ".GTO" at 10700,10050 h90
  text "TANGPU ELECTRONICS 2020" at 4737,9286 h75 r270
  text "NOT FOR SODIMM-144!!!!" at 4900,9279 h150 r270
  text "STEP NO.: A1 ES REV 0" at 4424,9275 h75 r270
  text "MACH-32 RV64 SoC DEVKIT" at 4574,9275 h75 r270
  text "THIS IS RVAT-SIMM72" at 5123,9133 h150 r270
  text "ON/OFF" at 8694,8913 h40 r90
  text "LVDS Interconnect" at 6636.22,8618.5 h50 r270
  text "CORE RST" at 8228,8453 h40
  text "SN" at 4424,7735 h75 r270
  text "Super / Highspeed / ISA / Transceiver" at 8226,6923 h40 r45
TopPaste:
  text ".GTP" at 10700,10050 h90
BottomPaste:
  text ".GBP" at 10700,10050 h90
TopSolder:
  rectangle: 4785,5675 6725,6005
  rectangle: 6885,5675 10125,6005
  text ".GTS" at 10700,10050 h90
BottomSolder:
  circle w20: c7258,8292 r39.97
  rectangle: 4785,5675 6725,6005
  rectangle: 6885.98,5675.12 10125.98,6005.12
  text ".GBS" at 10700,10050 h90
Mechanical1:
  circle w10: c9836.31,9476 r33.46
  circle w10: c9543,9476 r34.12
  lines w20: 4000,6000 4000,9900 11000,9900 11000,6000 10130,6000 10100,5970 10100,5750 10050,5700 6960,5700 6910,5750 6910,5970 6880,6000 6730,6000 6700,5970 6700,5750 6650,5700 4860,5700 4810,5750 4810,5970 4780,6000 4000,6000
Mechanical3:
  lines w10: 10690,6125 10690,6075 10740,6075 ; 10690,6150 10690,6200 ; 10690,6225 10690,6275 10740,6275 ; 10690,9425 10690,9375 10740,9375 ; 10690,9450 10690,9500 ; 10690,9525 10690,9575 10740,9575 ; 10765,6075 10815,6075 ; 10765,6275 10815,6275 ; 10765,9375 10815,9375 ; 10765,9575 10815,9575 ; 10840,6075 10890,6075 ; 10840,6275 10890,6275 ; 10840,9375 10890,9375 ; 10840,9575 10890,9575 ; 10915,6075 10965,6075 ; 10915,6275 10965,6275 ; 10915,9375 10965,9375 ; 10915,9575 10965,9575 ; 11000,6075 11040,6075 11040,4925 11065,4925 11065,9650 11490,9650 11490,9675 11040,9675 11040,9575 11000,9575 ; 11000,6275 11040,6275 11040,9375 11000,9375
Mechanical4:
  circle w10: c4845.67,5719.32 r100
  lines w10: 12120,7695 12195,7620 12270,7695 12345,7620 12420,7695 12495,7620 12570,7695 ; 12601.25,6613.75 12845,6370 13045,6370 ; 13745,7820 14470,7820 ; 15095,6370 14845,6370 15138.75,6663.75 ; 16045,6570 16045,6970 16245,7070 15845,7170 16045,7270 16045,7670 ; 4703.67,5666.32 4703.67,5721.32 4723.67,5671.32 4703.67,5666.32 ; 4703.87,5721.16 4705,5775 4725.36,5771.79 4703.87,5721.16 ; 12495,6720 12620,6632.5 12582.5,6595 12495,6720 ; 15120,6682.5 15245,6770 15157.5,6645 15120,6682.5
  lines w20: 12145,7670 12145,6770 12245,6670 12445,6670 12545,6770 12545,7670 ; 15145,7670 15145,6870 15345,6670 16045,6670
  text ".Pcb_File_Name_No_Path" at 8800,10240 h90
  text ".Printout_Name" at 8800,10050 h90
  text "DETAIL A" at 13745,7870 h120
  text "o" at 13770,6395 h60
  text "o" at 15820,6395 h60
  text ".020 X 45  CHAMFER" at 13120,6320 h90
  text "0.05 X 45  CHAMFER" at 15170,6320 h90
  text "BOTH SIDES" at 13120,6145 h90
  text "TYP 4 PLCS" at 15170,6145 h90
  text "EDGE CONNECTOR" at 6882,6138 h90
  text "ENTIRE LENGTH OF" at 13120,5970 h90
  text "SEE DETAIL A" at 4210,5690 h50
DrillDrawing:
  text ".LEGEND" at 12050,8550 h90
  text "Drilling Details." at 12050,8400 h90

## Dimensions
4150,5980 to 4000,6000 on Mechanical4
3980,6150 to 4000,6000 on Mechanical4
10150,5700 to 10130,6000 on Mechanical4

## Text inside footprints (layer, text, board x,y; h text height)
P2: TopOverlay "A31" at 6955,6050 h48; TopOverlay "C18" at 4855,6050 h48; TopOverlay "C1" at 6580,6050 h48; TopOverlay "A1" at 9980,6050 h48; BottomOverlay "B1" at 10030,6050 h48; BottomOverlay "B31" at 7055,6050 h48; BottomOverlay "D1" at 6630,6050 h48; BottomOverlay "D18" at 4955,6050 h48
P3: TopOverlay "12" at 6938,9419 h50; TopOverlay "1" at 6978,9319 h50; TopOverlay "1" at 6938,9319 h50; TopOverlay "1" at 6258,9319 h50; TopOverlay "2" at 6258,9419 h50
P10: TopOverlay "72#" at 6081.17,9276.94 h60 r90; TopOverlay "1#" at 6081.17,6501.94 h60 r90
PD1: TopOverlay "VDD" at 8005.31,8799.74 h60 r90; TopOverlay "TCK" at 8162.79,8789.9 h60 r90; TopOverlay "TDI" at 8241.53,8789.9 h60 r90; TopOverlay "TMS" at 8320.27,8789.9 h60 r90; TopOverlay "TDO" at 8399.01,8789.9 h60 r90; TopOverlay "GND" at 8477.75,8789.9 h60 r90
PD2: TopOverlay "VDD" at 6856.44,7168.95 h60 r315; TopOverlay "TCK" at 6974.75,7273.34 h60 r315; TopOverlay "TDI" at 7030.43,7329.02 h60 r315; TopOverlay "TMS" at 7086.11,7384.7 h60 r315; TopOverlay "TDO" at 7141.78,7440.38 h60 r315; TopOverlay "GND" at 7197.46,7496.05 h60 r315
PD3: TopOverlay "VDD" at 9926.74,9105.95 h50; TopOverlay "TCK" at 9916.9,8948.47 h50; TopOverlay "TDI" at 9916.9,8869.73 h50; TopOverlay "TMS" at 9916.9,8790.99 h50; TopOverlay "TDO" at 9916.9,8712.25 h50; TopOverlay "GND" at 9916.9,8633.51 h50
U4: TopOverlay "KINMOX" at 10680,7228.76 h39.37 r90; TopOverlay "TF CARD" at 10580,7196.76 h39.37 r90